# Altium PCB GameBoard_V1I1_Phase1.PcbDoc (part 2 of 18) (continued)
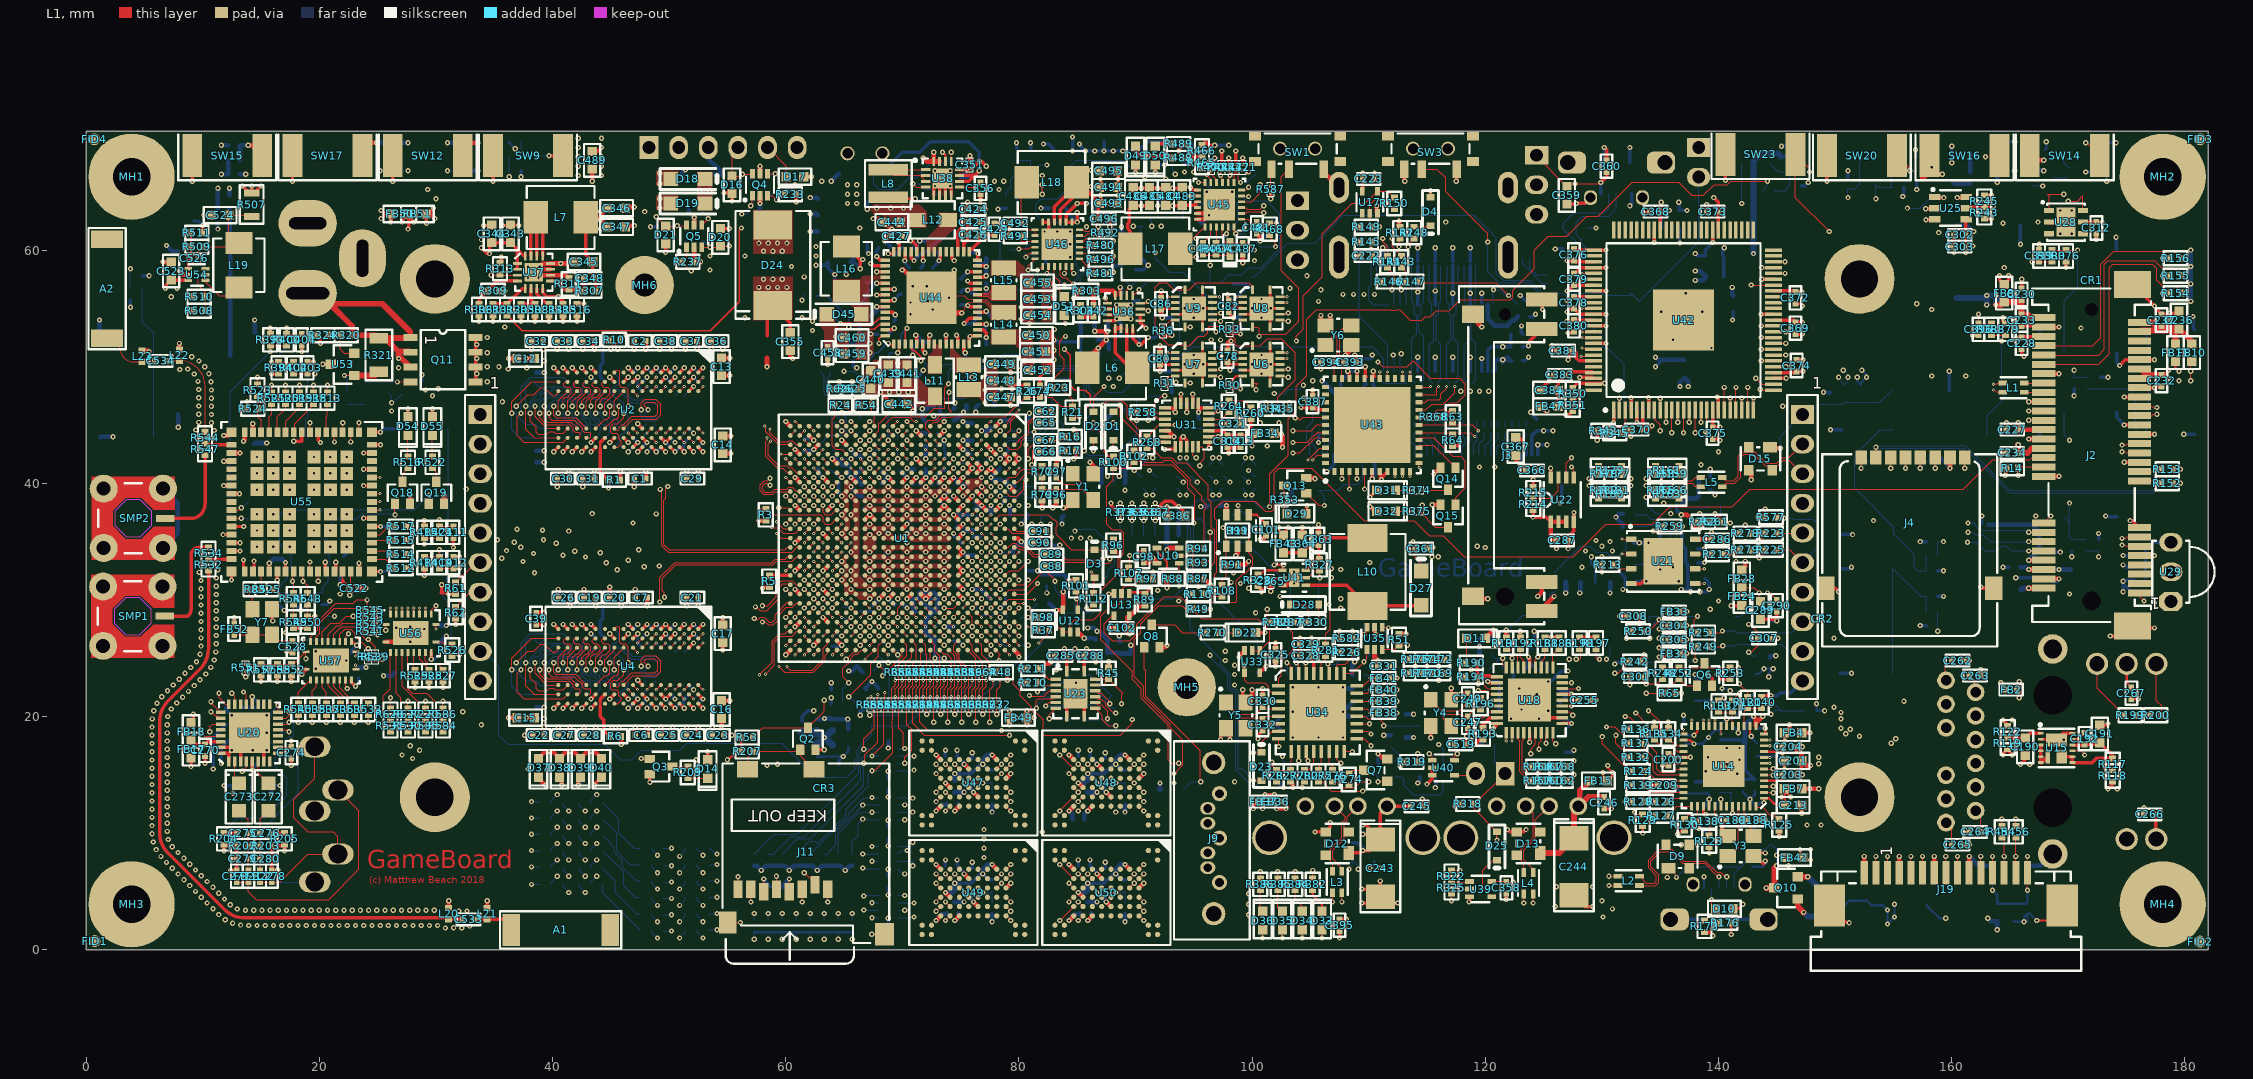
[diagram p0: L1 view]
## Components (designator, comment, footprint, x,y, rotation, side; value= is the part's Value field where it differs from the comment) (continued)
C230 "4u7" C0402 166,56.2 r90 top
C231 "4u7" C0402 166,31.4 r90 bottom
C232 "100n" C0402 178,48.8 r270 top value=100nF
C233 "100n" C0402 166,54 r270 top value=100nF
C234 "100n" C0402 165.2,42.6 r180 top value=100nF
C235 "100n" C0402 167.2,31.4 r90 bottom value=100nF
C236 "10u" C0603 179.5,54 r90 top value=10µF
C237 "100n" C0402 178,54 r90 top value=100nF
C238 "100n" C0402 168,34.1 r0 bottom value=100nF
C239 "100n" C0402 158.6,42.2 r0 bottom value=100nF
C240 "10u" C0603 142.7,9.3 r90 bottom value=10µF
C241 "100n" C0402 142.4,7.1 r0 bottom value=100nF
C242 "1u" C0402 120,26.6 r0 bottom value=1uF
C243 "100u / 10V" C2312 111,7 r270 top locked
C244 "100u / 10V" C2312 127.6,7.1 r270 top locked
C245 "100n" C0402 114.1,12.3 r0 top value=100nF
C246 "100n" C0402 130.2,12.6 r270 top value=100nF
C247 "18p" C0402 118.5,19.5 r270 top value=18pF
C248 "100n" C0402 123,26.3 r90 bottom value=100nF
C249 "18p" C0402 118.5,21.5 r90 top value=18pF
C250 "100n" C0402 125.9,22.2 r180 bottom value=100nF
C251 "4u7" C0402 125.9,21.2 r0 bottom
C252 "100n" C0402 123.4,23.5 r270 bottom value=100nF
C253 "4u7" C0402 124.4,23.5 r90 bottom
C254 "1u" C0402 119.05,21.2 r180 bottom value=1uF
C255 "1u" C0402 128.5,21.4 r0 top value=1uF
C256 "100n" C0402 121.7,20.5 r0 bottom value=100nF
C257 "100n" C0402 121.7,22.9 r0 bottom value=100nF
C258 "100n" C0402 125.9,19.8 r180 bottom value=100nF
C259 "100n" C0402 123.8,19.3 r90 bottom value=100nF
C260 "1u" C0402 121.7,21.6 r180 bottom value=1uF
C261 "100n" C0402 129.6,33.1 r0 bottom value=100nF
C262 "100n" C0402 160.5,24.8 r180 top value=100nF
C263 "100n" C0402 162,23.5 r180 top value=100nF
C264 "100n" C0402 162,10.1 r0 top value=100nF
C265 "100n" C0402 160.5,9 r180 top value=100nF
C266 "100n" C0402 177,11.6 r180 top value=100nF
C267 "100n" C0402 175.4,22 r270 top value=100nF
C268 "10u" C0603 11.98,20.061 r90 bottom value=10µF
C269 "100n" C0402 14.823,20.404 r270 bottom value=100nF
C270 "100n" C0402 10.2,17.1 r270 top value=100nF
C271 "100n" C0402 14.823,16.604 r90 bottom value=100nF
C272 "220u, 4V" "C1206 -  TLN S CASE TANTAL" 15.623,13.104 r270 top
C273 "220u, 4V" "C1206 -  TLN S CASE TANTAL" 13.123,13.104 r270 top
C274 "100n" C0402 17.6,16.9 r270 top value=100nF
C275 "100n" C0402 13.423,10.004 r180 top value=100nF
C276 "100n" C0402 15.423,10.004 r0 top value=100nF
C277 "270pF" C0402 12.923,6.304 r90 top
C278 "270pF" C0402 15.923,6.304 r90 top
C279 "100pF" C0402 13.423,7.804 r180 top
C280 "100pF" C0402 15.423,7.804 r0 top
C281 "1u" C0402 11.8,9.5 r270 bottom value=1uF
C282 "100n" C0402 14,9.5 r270 bottom value=100nF
C283 "270pF" C0402 12.9,6.3 r90 bottom
C284 "100n" C0402 59.2,5.4 r180 bottom value=100nF
C285 "100n" C0402 83.6,25.2 r180 top value=100nF
C286 "100n" C0402 139.9,35.2 r0 top value=100nF
C287 "100n" C0402 126.6,35.1 r180 top value=100nF
C288 "100n" C0402 86.1,25.2 r0 top value=100nF
C289 "10u" C0603 143.6,29.1 r270 top value=10µF
C290 "100n" C0402 145,29.5 r90 top value=100nF
C297 "100u / 10V" C2312 157.35,48 r0 bottom
C298 "100n" C0402 149.6,47.3 r90 bottom value=100nF
C299 "10uF / 16V" C0805 52.1,66 r180 bottom
C300 "100n" C0402 54.7,66 r270 bottom value=100nF
C301 "100n" C0402 132.9,23.4 r180 top value=100nF
C302 "10n" C0402 160.7,61.3 r180 top value=10nF
C303 "1u" C0402 160.7,60.3 r0 top value=1uF
C304 "4u7" C0402 136.2,27.8 r0 top
C305 "100n" C0402 136.2,26.6 r180 top value=100nF
C306 "100pF" C0402 144.4,25.7 r270 bottom
C307 "10n" C0402 143.9,26.7 r0 top value=10nF
C308 "100n" C0402 132.7,28.6 r0 top value=100nF
C309 "100pF" C0402 144.4,27.7 r90 bottom
C310 "100n" C0402 176.1,33.8 r180 bottom value=100nF
C311 "1u" C0402 176.1,32.8 r180 bottom value=1uF
C312 "100n" C0402 172.4,61.9 r270 top value=100nF
C313 "1u" C0402 99,43.6 r270 top value=1uF
C314 "100n" C0402 97.9,43.6 r270 top value=100nF
C315 "4u7" C0402 137.7,33.2 r0 bottom
C316 "100n" C0402 137.7,34.4 r0 bottom value=100nF
C317 "100n" C0402 132.5,31.6 r0 bottom value=100nF
C318 "100n" C0402 134.5,34.4 r180 bottom value=100nF
C319 "100n" C0402 96,45.5 r180 bottom value=100nF
C320 "4u7" C0402 136.1,33.9 r270 bottom
C321 "100n" C0402 98.4,45.1 r0 top value=100nF
C322 "220n" C0402 133.8,36.8 r90 bottom value=220nF
C323 "100n" C0402 132.3,36.3 r180 bottom value=100nF
C324 "100n" C0402 138.8,39.4 r0 bottom value=100nF
C325 "100n" C0402 102,25.3 r90 top value=100nF
C326 "100n" C0402 102.9,18.9 r0 bottom value=100nF
C327 "10n" C0402 102.9,19.9 r0 bottom value=10nF
C328 "100n" C0402 104.6,25.2 r180 top value=100nF
C329 "10n" C0402 104.6,26.2 r180 top value=10nF
C330 "18p" C0402 100.9,21.3 r270 top value=18pF
C331 "100n" C0402 111.3,24.3 r0 top value=100nF
C332 "18p" C0402 100.9,19.3 r90 top value=18pF
C333 "22pF" C0402 111.3,20.3 r180 bottom
C334 "22pF" C0402 111.3,21.3 r180 bottom
C335 "22pF" C0402 111.3,22.3 r180 bottom
C336 "22pF" C0402 111.3,23.3 r180 bottom
C337 "22u" C0603 89.5,52.6 r180 bottom
C338 "22u" C0603 90.3,54.9 r90 bottom
C339 "22u" C0603 86,50.9 r180 bottom
C340 "22u" C0603 86,52.3 r180 bottom
C341 "22pF" C0402 87.6,54.3 r270 bottom
C342 "220pF" C0402 86.4,54.8 r90 top
C343 "22u" C0603 36.4,61.4 r90 top
C344 "22u" C0603 34.8,61.4 r90 top
C345 "22u" C0603 42.7,59 r180 top
C346 "22u" C0603 45.5,63.6 r0 top
C347 "22u" C0603 45.5,62 r0 top
C348 "22pF" C0402 43.2,57.6 r0 top
C349 "220pF" C0402 41.5,55.4 r180 bottom
C350 "10u" C0603 74.2,66.2 r180 bottom value=10µF
C351 "100n" C0201 75.8,67.3 r90 top
C352 "22u / 10V" C0603 63.5,64.4 r180 bottom
C353 "22u / 10V" C0603 63.5,61.6 r180 bottom
C354 "22u / 10V" C0603 63.5,63 r180 bottom
C355 "22u" C0603 60.4,52.15 r270 top
C356 "3.3n" C0402 76.7,65.3 r90 top
C357 "100u / 10V" C2312 155.6,3.8 r0 bottom
C358 "100n" C0402 121.8,5.3 r90 top value=100nF
C359 "10u" C0603 127,64.7 r270 top value=10µF
C360 "100n" C0402 130.4,67.2 r90 top value=100nF
C361 "1u" C0402 114.5,34.4 r0 top value=1uF
C362 "1u" C0402 124.4,45 r90 bottom value=1uF
C363 "100n" C0402 105.7,35.2 r90 top value=100nF
C364 "10u" C0603 104.3,34.8 r90 top value=10µF
C365 "220n" C0201 101.6,31.6 r270 top
C366 "100n" C0402 124,41.1 r0 top value=100nF
C367 "10u" C0603 122.6,43.15 r90 top value=10µF
C368 "100n" C0402 134.6,63.3 r180 top value=100nF
C369 "100n" C0402 146.6,53.3 r270 top value=100nF
C370 "100n" C0402 133,44.6 r180 top value=100nF
C371 "10u" C0603 135.9,61.9 r0 bottom value=10µF
C372 "100n" C0402 146.6,55.9 r270 top value=100nF
C373 "100n" C0402 139.5,63.3 r180 top value=100nF
C374 "100n" C0402 146.7,50.1 r90 top value=100nF
C375 "100n" C0402 139.5,44.3 r270 top value=100nF
C376 "100n" C0402 127.6,59.6 r90 top locked value=100nF
C377 "10u" C0603 139.6,59.5 r180 bottom value=10µF
C378 "100n" C0402 127.6,55.5 r270 top value=100nF
C379 "100n" C0402 127.6,57.5 r90 top locked value=100nF
C380 "100n" C0402 127.6,53.5 r270 top value=100nF
C381 "100n" C0402 126.7,51.375 r180 top value=100nF
C382 "10u" C0603 135.4,51.4 r90 bottom value=10µF
C383 "100n" C0402 126.4,49.3 r180 top value=100nF
C384 "10u" C0603 125.5,48 r180 top value=10µF
C385 "100n" C0402 93.2,37.4 r180 bottom value=100nF
C386 "10u" C0603 93.5,37.225 r180 top value=10µF
C387 "100n" C0402 105.2,47 r90 top value=100nF
C388 "100n" C0402 109.2,47.4 r270 bottom value=100nF
C389 "100n" C0402 108.2,47.4 r270 bottom value=100nF
C390 "100n" C0402 111.2,47.4 r270 bottom value=100nF
C391 "100n" C0402 110.2,47.4 r270 bottom value=100nF
C392 "10u" C0603 112.4,47 r270 bottom value=10µF
C393 "18p" C0402 108.4,50.4 r180 top value=18pF
C394 "18p" C0402 106.4,50.4 r0 top value=18pF
C395 "100n" C0402 107.5,2.1 r90 top value=100nF
C396 "100n" C0402 162.3,53.2 r270 top value=100nF
C397 "100n" C0402 170.5,48.6 r270 bottom value=100nF
C398 "100n" C0402 172.6,34.7 r90 bottom value=100nF
C399 "100n" C0402 167.5,59.5 r90 top value=100nF
C400 "100n" C0402 36.8,66.8 r0 bottom value=100nF
C401 "100n" C0402 32.3,66.8 r0 bottom value=100nF
C402 "100n" C0402 4.3,57.8 r0 bottom value=100nF
C403 "100n" C0402 19,49.9 r90 top value=100nF
C404 "100n" C0402 18.5,52.3 r270 top value=100nF
C405 "100n" C0402 11.8,64.7 r0 bottom value=100nF
C406 "100n" C0402 164.4,66.8 r180 bottom value=100nF
C407 "100n" C0402 172.8,66.7 r180 bottom value=100nF
C408 "100n" C0402 26.3,66.8 r180 bottom value=100nF
C409 "100n" C0402 12.7,66.5 r0 bottom value=100nF
C410 "100n" C0402 155.4,65.4 r0 bottom value=100nF
C411 "100n" C0402 31.5,35.8 r270 top value=100nF
C412 "100n" C0402 31.5,33.2 r90 top value=100nF
C413 "100n" C0402 146.6,65.5 r0 bottom value=100nF
C414 "100n" C0402 158.3,35 r180 bottom value=100nF
C415 "100n" C0402 158.3,27.8 r180 bottom value=100nF
C416 "1u" C0402 76.6,53.1 r180 bottom value=1uF
C417 "1u" C0402 75.9,58.8 r180 bottom value=1uF
C418 "2u2" C0402 76.7,51.9 r180 bottom
C419 "4u7" C0402 76.1,54.3 r180 bottom
C420 "1u" C0402 72.6,58 r270 bottom value=1uF
C421 "2u2" C0402 74.5,57.5 r180 bottom
C422 "4u7" C0402 75.4,59.8 r180 bottom
C423 "2u2" C0402 72,60.3 r90 bottom
C424 "1u" C0402 76.1,63.5 r0 top value=1uF
C425 "1u" C0402 76.1,62.4 r0 top value=1uF
C426 "100n" C0402 76.1,61.3 r0 top value=100nF
C427 "2u2" C0402 69.5,61.2 r180 top
C428 "100n" C0402 70.5,60.1 r0 bottom value=100nF
C429 "100n" C0402 77.9,61.8 r90 top value=100nF
C430 "470nF" C0402 68.5,60.3 r0 bottom
C431 "4u7" C0402 73.5,59.8 r0 bottom
C432 "100n" C0402 72.3,53.8 r90 bottom value=100nF
C433 "100n" C0402 71.6,58 r270 bottom value=100nF
C434 "4u7" C0402 72.6,52.1 r180 bottom
C435 "4u7" C0402 71.3,53.8 r90 bottom
C436 "100n" C0402 70.6,58 r270 bottom value=100nF
C437 "100n" C0402 73.3,53.8 r90 bottom value=100nF
C438 "4u7" C0402 72.5,56.2 r180 bottom
C439 "22u" C0603 68.8,49.4 r90 top
C440 "22u" C0603 67.3,48.9 r90 top
C441 "22u" C0603 70.4,49.4 r90 top
C442 "22u" C0603 69.7,46.8 r0 top
C443 "22u" C0603 69.9,62.2 r270 bottom
C444 "22u" C0603 69.1,62.4 r180 top
C445 "22u" C0603 68.3,64.6 r180 bottom locked
C446 "22u" C0603 68.4,62.2 r270 bottom
C447 "22u" C0603 78.5,47.4 r0 top locked
C448 "22u" C0603 78.5,48.8 r0 top locked
C449 "22u" C0603 78.5,50.2 r0 top
C450 "22u" C0603 81.5,52.7 r0 top
C451 "22u" C0603 81.5,51.3 r0 top
C452 "22u" C0603 81.6,49.7 r0 top
C453 "22u" C0603 81.6,55.8 r0 top
C454 "22u" C0603 81.6,54.4 r0 top
C455 "22u" C0603 81.6,57.2 r0 top
C456 "10uF / 16V" C0805 64.6,58.975 r180 bottom
C457 "100n" C0402 66.5,60.5 r0 bottom value=100nF
C458 "10n" C0402 63.6,51.2 r270 top value=10nF
C459 "22u / 10V" C0603 65.7,51.1 r0 top
C460 "22u / 10V" C0603 65.7,52.5 r0 top
C461 "4u7" C0402 76.7,56.2 r0 bottom
C462 "100n" C0402 68.9,58.1 r0 bottom value=100nF
C463 "100n" C0402 74.5,55.3 r180 bottom value=100nF
C464 "4u7" C0402 76.7,57.2 r0 bottom
C465 "4u7" C0402 74.7,52.1 r0 bottom
C466 "100n" C0402 74.4,53.8 r90 bottom value=100nF
C467 "100n" C0402 74.5,56.4 r180 bottom value=100nF
C468 "2u2" C0402 68.9,59.1 r0 bottom
C469 "1u" C0402 70.4,56.2 r0 bottom value=1uF
C470 "10uF / 16V" C0805 66,56 r180 bottom
C471 "1u" C0402 68.9,55.1 r0 bottom value=1uF
C472 "220n" C0402 69.8,53.9 r0 bottom value=220nF
C473 "1u" C0402 68.5,56.6 r90 bottom value=1uF
C474 "100n" C0402 68.4,52.8 r180 bottom value=100nF
C475 "10u" C0603 165.3,3.2 r270 bottom value=10µF
C476 "100n" C0402 166.5,3.6 r270 bottom value=100nF
C477 "10n" C0402 98.3,63.9 r180 bottom value=10nF
C478 "22u / 10V" C0603 94,64.6 r90 bottom
C479 "10u" C0603 95.6,63.1 r270 bottom value=10µF
C480 "0.047u" C0402 95.8,60.1 r90 top
C481 "10n" C0402 100.4,61.9 r270 top value=10nF
C482 "1u" C0402 101.2,61.8 r270 bottom value=1uF
C483 "10u" C0603 94,64.6 r90 top value=10µF
C484 "10u" C0603 92.6,64.6 r90 top value=10µF
C485 "10u" C0603 91.2,64.6 r90 top value=10µF
C486 "10u" C0603 89.8,64.6 r90 top value=10µF
C487 "4u7" C0402 99.2,60.1 r270 top
C488 "10u" C0603 89.7,61.3 r180 bottom value=10µF
C489 "10u" C0603 43.4,67.7 r270 top value=10µF
C490 "10n" C0402 81.8,58.9 r0 bottom value=10nF
C491 "1u" C0402 81.8,59.9 r0 bottom value=1uF
C492 "0.047u" C0402 79.7,62.3 r0 top
C493 "10u" C0603 87.7,64 r0 top value=10µF
C494 "10u" C0603 87.7,65.4 r0 top value=10µF
C495 "10u" C0603 87.7,66.8 r0 top value=10µF
C496 "10n" C0402 87.3,62.7 r0 top value=10nF
C497 "4u7" C0402 81.8,60.9 r0 bottom
C498 "10u" C0603 83.3,63.6 r180 bottom value=10µF
C499 "100n" C0402 74.5,14 r270 bottom value=100nF
C500 "100n" C0402 74.3,12.5 r180 bottom value=100nF
C501 "100n" C0402 74.2,16.6 r180 bottom value=100nF
C502 "100n" C0402 76.5,16.4 r180 bottom value=100nF
C503 "1u" C0402 75.9,14.6 r90 bottom value=1uF
C504 "100n" C0402 85.1,11.2 r180 bottom value=100nF
C505 "100n" C0402 87.9,16.4 r180 bottom value=100nF
C506 "100n" C0402 85.6,16.5 r180 bottom value=100nF
C507 "100n" C0402 85.9,14 r270 bottom value=100nF
C508 "1u" C0402 87.3,14.6 r90 bottom value=1uF
C509 "100n" C0402 76.5,7 r180 bottom value=100nF
C510 "100n" C0402 74.2,7.2 r180 bottom value=100nF
C511 "100n" C0402 74.3,3.1 r180 bottom value=100nF
C512 "100n" C0402 74.5,4.6 r270 bottom value=100nF
C513 "1u" C0402 75.9,5.2 r90 bottom value=1uF
C514 "100n" C0402 87.9,7 r180 bottom value=100nF
C515 "100n" C0402 85.6,7.1 r180 bottom value=100nF
C516 "100n" C0402 85.7,3.1 r180 bottom value=100nF
C517 "100n" C0402 85.9,4.6 r270 bottom value=100nF
C518 "1u" C0402 87.3,5.2 r90 bottom value=1uF
C519 "100n" C0402 117.9,17.6 r180 top value=100nF
C520 "100n" C0402 117.9,17.6 r180 bottom value=100nF
C521 "100n" C0402 111.9,17.9 r270 bottom value=100nF
C522 "100n" C0201 23,31 r180 top
C523 "10u" C0603 7.3,58.2 r90 top value=10µF
C524 "10u" C0603 11.5,63 r180 top value=10µF
C525 "10u" C0603 22.1,33 r270 bottom value=10µF
C526 "6.8pF" C0201 9.265,59.3 r180 top
C527 "1u" C0402 16.4,33 r270 bottom value=1uF
C528 "100n" C0402 17.7,26 r90 top value=100nF
C529 "100n" C0402 30.3,25.8 r270 bottom value=100nF
C530 "100n" C0402 30.4,28.3 r270 bottom value=100nF
C531 "100n" C0402 23.4,23.7 r270 bottom value=100nF
C532 "100n" C0402 22.3,25.4 r180 bottom value=100nF
C533 "1pF" C0402 32.8,2.6 r0 top
C534 "2.4pF" C0402 6.4,50.5 r180 top
CR1 "Mini PCIe Card" "MINI_PCIE_FULL CARD" 172,57.4 r180 top locked
CR2 "Micro SIM Card" MICRO_SIM_CARD 148.9,28.4 r90 top
CR3 "Micro SD Card" MICRO_SD_CARD 63.3,13.85 r0 top
CTP1 "0527930670" 522710479 91.2,32 r180 bottom locked
D1 "RB751V-40-TP" SOD323 88.1,44.9 r90 top
D2 "RB751V-40-TP" SOD323 86.4,44.9 r90 top
D3 "RB751V-40-TP" SOD323 86.5,33.1 r270 top
D4 "BAT54HT1G" SOD323 115.3,63.3 r90 top
D5 "Green" LED_0603 179.7,56.3 r0 bottom
D6 "Green" LED_0603 179.7,57.8 r0 bottom
D7 "Green" LED_0603 179.7,59.3 r0 bottom
D8 "BZA956A,115" SOT665 162.6,35.7 r270 bottom
D9 "BGX50AE6327" SOT143 136.5,8 r90 top
D10 "PGB1010603MR" C0603 140.5,3.5 r0 top
D11 "Orange" LED_0603 119.2,26.7 r180 top
D12 "BGX50AE6327" SOT143 107.3,9.1 r180 top
D13 "BGX50AE6327" SOT143 123.7,9.1 r180 top
D14 "Orange" LED_0603 53.3,15.5 r90 top
D15 "BGX50AE6327" SOT143 143.6,42.1 r270 top
D16 "PGB1010603MR" C0603 55.4,65.6 r270 top
D17 "PGB1010603MR" C0603 60.8,66.3 r0 top
D18 "MBR140SFT1G" SOD-123FL 51.6,66.1 r180 top
D19 "MBR140SFT1G" SOD-123FL 51.6,64 r180 top
D20 "PGB1010603MR" C0603 54.4,61.1 r90 top
D21 "PGB1010603MR" C0603 49.7,61.3 r270 top
D22 "Orange" LED_0603 99.5,27.2 r0 top
D23 "RB751V-40-TP" SOD323 100.8,15.7 r270 top
D24 "S8MC-13" SMC 58.9,58.7 r90 top locked
D25 "RB751V-40-TP" SOD323 121,8.9 r90 top
D26 "BGX50AE6327" SOT143 127.7,61.1 r180 bottom locked
D27 "MBR140SFT1G" SOD-123FL 114.5,31 r270 top
D28 "1N4148WS" SOD323 104.481,29.6 r0 top
D29 "Green" LED_0603 103.8,37.4 r0 top
D30 "BZA956A,115" SOT665 105.7,45 r90 bottom
D31 "Red" LED_0603 111.5,39.4 r180 top
D32 "Green" LED_0603 111.5,37.6 r180 top
D33 "Red" LED_0603 106,2.5 r270 top
D34 "Red" LED_0603 104.3,2.5 r270 top
D35 "Red" LED_0603 102.6,2.5 r270 top
D36 "Red" LED_0603 100.9,2.5 r270 top
D37 "Red" LED_0603 38.8,15.6 r90 top
D38 "Red" LED_0603 40.6,15.6 r90 top
D39 "Red" LED_0603 42.4,15.6 r90 top
D40 "Red" LED_0603 44.2,15.6 r90 top
D41 "Green" LED_0603 168.8,68.6 r180 bottom
D42 "Orange" LED_0603 160.8,68.2 r180 bottom
D43 "RB751V-40-TP" SOD323 153.5,66.7 r90 bottom
D44 "RB751V-40-TP" SOD323 143.2,67.4 r180 bottom
D45 "MBR140SFT1G" SOD-123FL 65,54.5 r0 top
D46 "B130LAW-7-F" SOD-123FL 97.554,59.9 r180 bottom
D47 "ZLLS350TA" SOD-523 98.1,60.1 r90 top
D48 "B130LAW-7-F" SOD-123FL 91.9,59.6 r180 bottom
D49 "Green" LED_0603 90,68.1 r90 top
D50 "Green" LED_0603 91.7,68.1 r90 top
D51 "Red" LED_0603 83.9,55.2 r270 top
D52 "B130LAW-7-F" SOD-123FL 83,67.2 r90 bottom
D53 "ZLLS350TA" SOD-523 79.2,60.6 r270 bottom
D54 "Green" LED_0603 27.6,44.9 r90 top
D55 "Orange" LED_0603 29.7,44.9 r90 top
FB1 "220R, 2.5A" C0603 77.6,45.5 r270 bottom
FB2 "BLM15AX300SN1D 30R / 1.1A" C0402 165.1,22.3 r0 top
FB3 "BLM18KG101TN1D" C0603 143.2,22.9 r270 bottom
FB4 "BLM18KG101TN1D" C0603 146.4,18.6 r180 top
FB5 "BLM15AX601SN1D" C0402 147.9,20.5 r180 bottom
FB6 "BLM18KG101TN1D" C0603 137.8,22.1 r270 bottom
FB7 "BLM18KG101TN1D" C0603 146.4,13.8 r180 top
FB8 "220R, 2.5A" C0603 164.5,56.3 r270 top
FB9 "220R, 2.5A" C0603 170.2,31.8 r270 bottom
FB10 "220R, 2.5A" C0603 180.6,51.2 r90 top
FB11 "220R, 2.5A" C0603 179.2,51.2 r90 top
FB12 "MPZ1608S601A 600OHM/1A" C0603 126.9,17.7 r90 bottom
FB13 "MPZ1608S601A 600OHM/1A" C0603 108.6,8.4 r90 bottom
FB14 "MPZ1608S601A 600OHM/1A" C0603 110.5,8.4 r90 bottom
FB15 "MPZ1608S601A 600OHM/1A" C0603 129.7,14.5 r0 top
FB16 "MPZ1608S601A 600OHM/1A" C0603 13.473,14.079 r180 bottom
FB17 "MPZ1608S601A 600OHM/1A" C0603 9,17.2 r90 top
FB18 "MPZ1608S601A 600OHM/1A" C0603 9,18.7 r90 top
FB19 "MPZ1608S601A 600OHM/1A" C0603 13.48,20.061 r90 bottom
FB20 "MPZ1608S601A 600OHM/1A" C0603 14.973,14.079 r0 bottom
FB21 "BLM15AX601SN1D" C0402 13.923,6.304 r270 top
FB22 "BLM15AX601SN1D" C0402 14.923,6.304 r270 top
FB23 "BLM15AX601SN1D" C0402 13.9,6.3 r270 bottom
FB24 "220R, 2.5A" C0603 142,30.3 r270 top
FB27 "220R, 2.5A" C0603 152.2,47.7 r90 bottom
FB28 "220R, 2.5A" C0603 142,31.8 r90 top
FB31 "220R, 2.5A" C0603 150.8,47.7 r90 bottom
FB32 "BLM15AX601SN1D" C0402 136.2,25.4 r180 top
FB33 "BLM15AX601SN1D" C0402 136.2,29 r180 top
FB34 "MPZ1608S601A 600OHM/1A" C0603 101.1,44.3 r180 top
FB35 "MPZ1608S601A 600OHM/1A" C0603 138.1,31.8 r180 bottom
FB36 "BLM15AX601SN1D" C0402 102,12.7 r180 top
FB37 "BLM15AX601SN1D" C0402 101,12.7 r0 top
FB38 "120R, 1.3A" C0402 111.3,20.3 r0 top
FB39 "120R, 1.3A" C0402 111.3,21.3 r0 top
FB40 "120R, 1.3A" C0402 111.3,22.3 r0 top
FB41 "120R, 1.3A" C0402 111.3,23.3 r0 top
FB42 "220R, 2.5A" C0603 146.5,7.9 r180 top locked
FB43 "MPZ1608S601A 600OHM/1A" C0603 102.7,34.8 r90 top
FB44 "220R, 2.5A" C0603 135.9,63.4 r180 bottom
FB45 "220R, 2.5A" C0603 139.7,57.7 r0 bottom
FB46 "220R, 2.5A" C0603 137.1,49.809 r90 bottom
FB47 "220R, 2.5A" C0603 125.5,46.6 r0 top
FB48 "220R, 2.5A" C0603 163.9,3.2 r90 bottom
FB49 "MPZ1608S601A 600OHM/1A" C0603 79.95,19.9 r0 top
FB50 "MPZ1608S601A 600OHM/1A" C0603 26.9,63.1 r0 top
FB51 "MPZ1608S601A 600OHM/1A" C0603 28.4,63.1 r180 top
FB52 "120R, 1.3A" C0402 12.7,27.5 r90 top
FID1 "FID_1MM_SMALL" FID_40X52D 1.038,1.038 r90 top
FID2 "FID_1MM_SMALL" FID_40X52D 181.6,1 r90 top
FID3 "FID_1MM_SMALL" FID_40X52D 181.6,69.8 r90 top
FID4 "FID_1MM_SMALL" FID_40X52D 1,69.8 r90 top
FID5 "FID_1MM_SMALL" FID_40X52D 0.438,1.038 r90 bottom
FID6 "FID_1MM_SMALL" FID_40X52D 181,1 r90 bottom
FID7 "FID_1MM_SMALL" FID_40X52D 181,69.8 r90 bottom
FID8 "FID_1MM_SMALL" FID_40X52D 0.4,69.8 r90 bottom
J1 "47151-0001" "HDMI V1.1" 114.7,62 r90 bottom locked
J2 "MM60-52B1-E1-R650" MINI_PCIE_52PIN_CARD_CON 172,29.9 r180 top locked
J3 "MM60-EZH059-B5-R650" MINI_PCIE_52PIN_CARD_LATCH 121.7,30.3 r180 top locked
J4 "693022010811" SIM_MICRO_HINGED 156.4,36.6 r180 top locked
J5 "USB MICRO AB" USB_MICRO_AB 140.05,2.6 r90 bottom
J6 "UE27-AC54-100" USB-A 108.07,12.44 r0 bottom locked
J7 "UE27-AC54-100" USB-A 124.47,12.44 r0 bottom locked
J8 "L829-1J1T-43" L829-1J1T-43 169.8,17 r90 bottom locked
J9 "0471554001" SATA_VERTICAL 97.2,13.38 r90 top locked
J10 "SJ1-3535NG-GR" SJ1-3535NG 20.5,5.8 r90 bottom locked
J11 "693071010811" 693071010811 61.8,8.4 r180 top locked
J12 "SSW-110-01-F-S" SSW-110-01-F-S 147.2,45.9 r180 bottom locked
J13 "TLW-103-06-T-S" HDR_1X3_2.54MM 103.9,64.24 r180 bottom
J14 "SSW-110-01-F-S" SSW-110-01-F-S 33.8,45.9 r180 bottom
J16 "HDR 1x6, 2.54mm" HDR_1X6_2.54MM 48.28,68.8 r270 bottom
J17 "PJ-002AH" POWER_JACK_5.5_2.1MM_NS_V1.1 19,56.3 r180 bottom locked
J18 "USB MICRO AB" USB_MICRO_AB 131.25,67.5 r270 bottom locked
J19 "1-84952-5" ZIF_RA_BOTTOM_15X1MM 159.5,5.2 r0 top locked
J20 "S2B-PH-SM4-TB" S2B-PH-SM4-TB 46.45,60.8 r180 bottom locked
J22 "TLW-103-06-T-S" HDR_1X3_2.54MM 124.4,68.14 r180 bottom
JP2 "HDR 1x2" HDR_1X2_2.54MM 121.7,15.1 r90 bottom
JP3 "HDR 1x2" HDR_1X2_2.54MM 138.3,68.8 r180 bottom
L1 "ACM2012-900-2P-T002" ACM2012 165.3,48.2 r180 top
L2 "ACM2012-900-2P-T002" ACM2012 132.3,5.9 r180 top
L3 "ACM2012-900-2P-T002" ACM2012 107.3,5.8 r270 top
L4 "ACM2012-900-2P-T002" ACM2012 123.7,5.7 r90 top
L5 "ACM2012-900-2P-T002" ACM2012 139.4,40.1 r180 top
L6 "1u" IHLP_204MILX216MIL 88,49.9 r180 top locked
L7 "1u" IHLP_204MILX216MIL 40.7,62.8 r0 top
L8 "2.2uH / 8A" XFL4020-222MEC 68.8,65.7 r270 top
L9 "ACM2012-900-2P-T002" ACM2012 126.2,57.5 r180 bottom
L10 "10uH" IHLP_255MILX255MIL 109.9,32.4 r270 top
L11 "1u / 3.9A" IHLP_118MILX144MIL 72.8,48.8 r270 top
L12 "1u / 3.9A" IHLP_118MILX144MIL 72.6,62.6 r180 top locked
L13 "1u / 2.6A" IFSC_79MILX98MIL 75.7,49.1 r90 top
L14 "1u / 2.6A" IFSC_79MILX98MIL 78.7,53.6 r270 top
L15 "1u / 2.6A" IFSC_79MILX98MIL 78.7,57.4 r90 top
L16 "2u2 / 2.75A" IHLP_160MILX175MIL 65.2,58.4 r270 top
L17 "1u" IHLP_204MILX216MIL 91.7,60.1 r180 top
L18 "1u" IHLP_204MILX216MIL 82.8,65.8 r0 top
L19 "2u2 / 2.75A" IHLP_160MILX175MIL 13.1,58.7 r90 top
L20 "1.8nH" LQP_0402 31.1,3.1 r90 top
L21 "1.3nH" LQP_0402 34.4,3.1 r90 top
L22 "2.2nH" LQP_0402 8,51 r90 top
L23 "1.8nH" LQP_0402 4.8,50.9 r90 top
LCD1 "0541324062" 0541324062 114.75,40.95 r180 bottom locked
LCD2 "NHD-4.3-480272MB-ASXN-CTP" NHD-4.3-480272MB-ASXN-CTP 91,35.3 r180 bottom locked
MH1 "MH_7.4MMC_3.2MMD" MH_7.4MMD_3.2MMD 3.9,66.3 r0 top
MH2 "MH_7.4MMC_3.2MMD" MH_7.4MMD_3.2MMD 178.1,66.3 r0 top
MH3 "MH_7.4MMC_3.2MMD" MH_7.4MMD_3.2MMD 3.9,3.9 r0 top
MH4 "MH_7.4MMC_3.2MMD" MH_7.4MMD_3.2MMD 178.1,3.9 r0 top
MH5 "MH_5MMC_2MMD" MH_5MMD_2MMD 94.4,22.5 r0 top locked
MH6 "MH_5MMC_2MMD" MH_5MMD_2MMD 47.9,57 r0 top locked
Q2 "2N7002BKW,115" SC70_SOT323 61.9,18.1 r90 top
Q3 "2N7002BKW,115" SC70_SOT323 49.3,15.7 r0 top
Q4 "2N7002BKS,115" SOT363 57.8,65.6 r90 top
Q5 "2N7002BKS,115" SOT363 52.15,61.2 r90 top
Q6 "2N7002BKW,115" SC70_SOT323 138.8,23.6 r90 top
Q7 "MMBT3906,215" SOT-23-3-123 110.6,15.4 r180 top
Q8 "2N7002BKW,115" SC70_SOT323 91.4,26.9 r90 top
Q9 "DMP2035U-7" SOT-23-3-123 149.51,3.8 r0 bottom
Q10 "DMP2035U-7" SOT-23-3-123 145.8,5.3 r180 top
Q11 "SI4425BDY-T1-E3" 8_SOIC_3.9MM 30.6,50.6 r0 top
Q12 "MMBT3906,215" SOT-23-3-123 24.9,47.75 r0 bottom
Q13 "2N7002BKW,115" SC70_SOT323 103.7,39.8 r180 top
Q14 "2N7002BKW,115" SC70_SOT323 116.8,40.4 r270 top
Q15 "2N7002BKW,115" SC70_SOT323 116.8,37.2 r270 top
Q16 "2N7002BKW,115" SC70_SOT323 167.8,66.2 r0 bottom
Q17 "2N7002BKW,115" SC70_SOT323 159.2,65.8 r0 bottom
Q18 "2N7002BKW,115" SC70_SOT323 27.135,39.201 r90 top
Q19 "2N7002BKW,115" SC70_SOT323 30.035,39.201 r90 top
R1 "240R" R0402 45.3,40.3 r180 top
R2 "240R" R0402 45.3,52.3 r180 bottom
R3 "10k" R0402 58.3,37.3 r90 top
R4 "10k" R0402 63.3,41.2 r0 bottom
R5 "240R" R0402 58.6,31.6 r270 top
R6 "240R" R0402 45.4,18.3 r180 top
R7 "240R" R0402 45.4,30.3 r180 bottom
R8 "240R" R0402 62.6,17.1 r270 bottom
R9 "200R" R0402 45.4,18.3 r180 bottom
R10 "200R" R0402 45.3,52.3 r180 top
R11 "240R" R0402 62.6,19.1 r270 bottom
R12 "0R" R0402 76,46.7 r0 bottom
R13 "0R" R0402 79.7,42.9 r180 bottom
R14 "10k" R0402 165.2,41.3 r180 top
R15 "200R" R0402 79.2,45 r270 bottom
R16 "49R9" R0402 84.4,44 r180 top value=49.9R
R17 "49R9" R0402 84.4,42.8 r180 top value=49.9R
R18 "0R" R0402 64.5,42.9 r180 bottom
R19 "10k" R0402 72.8,27.2 r90 bottom
R20 "47k" R0402 109.7,51.2 r270 bottom
R21 "47k" R0402 84.6,46.1 r270 top
R22 "0R" R0402 71.5,41.2 r0 bottom
R23 "1k6" R0402 83.4,48.2 r180 top
R24 "0R" R0402 64.7,46.7 r0 top
R25 "0R" R0402 75,48 r0 bottom
R26 "4k99" R0402 80.7,47.9 r270 top
R27 "0R" R0402 72.5,43.2 r180 bottom
R28 "1k6" R0201 73,46.6 r0 bottom
R29 "0R" R0402 75,49.2 r180 bottom
R30 "10k" R0201 98.1,48.4 r90 top
R31 "10k" R0201 92.5,48.6 r90 top
R32 "0R" R0402 66.5,41.7 r270 bottom
R33 "10k" R0201 98.1,53.2 r90 top
R34 "100k" R0402 101.7,46.4 r0 top
R35 "100k" R0402 102.7,46.4 r180 top
R36 "10k" R0201 92.4,53.1 r90 top
R37 "22R" R0402 82.1,27.4 r0 top
R38 "0R" R0402 64.8,28.9 r270 bottom
R39 "0R" R0402 74.4,45.9 r90 bottom
R40 "0R" R0402 77.7,36.9 r270 bottom
R41 "191R" R0201 79.2,34.1 r180 bottom
R42 "22R" R0402 77.5,23.9 r180 bottom
R43 "10k" R0201 24.2,25.135 r270 top
R44 "22R" R0402 67.9,25.8 r270 bottom
R45 "10k" R0402 87.7,23.7 r90 top
R46 "10k" R0402 90.6,46.1 r0 bottom
R47 "10k" R0402 67.1,23.8 r180 bottom
R48 "4k99" R0402 78.5,23.8 r0 top
R49 "10k" R0402 95.4,29.2 r0 top
R50 "10k" R0402 92.6,13.7 r180 bottom
R51 "10k" R0402 112.6,26.6 r90 top
R52 "10k" R0402 82.112,28.5 r0 bottom
R53 "10k" R0402 56.7,18.2 r180 top
R54 "10k" R0402 66.9,46.7 r180 top
R55 "22R" R0402 79.6,28.5 r0 bottom
R56 "22R" R0402 79.6,26.1 r0 bottom
R57 "22R" R0402 69.6,43.3 r270 bottom
R58 "22R" R0402 67.9,42.5 r270 bottom
R59 "4k99" R0402 142.3,35.7 r180 bottom
R60 "4k99" R0402 142.3,34.3 r180 bottom
R61 "4k99" R0402 31.7,31 r270 top
R62 "4k99" R0402 31.7,28.9 r270 top
R63 "4k99" R0402 117.2,45.7 r90 top
R64 "4k99" R0402 117.2,43.7 r270 top
R65 "10k" R0402 135.8,22 r0 top
R66 "10k" R0402 83.3,37.2 r0 bottom
R67 "22R" R0402 84.6,45.9 r90 bottom
R68 "100k" R0402 88.1,44.2 r90 bottom
R69 "100k" R0402 86.4,44.2 r90 bottom
R70 "10k" R0402 64.4,21 r180 bottom
R71 "10k" R0402 66.4,20.955 r0 bottom
R72 "10k" R0402 68.4,21.018 r180 bottom
R73 "1k" R0402 63.982,26.541 r90 bottom
R74 "10k" R0402 64.4,22.3 r0 bottom
R75 "10k" R0402 66.4,22.3 r180 bottom
R76 "10k" R0402 68.4,22.3 r0 bottom
R77 "10M" R0402 82,41 r90 top
R78 "10M" R0201 80.3,39.5 r270 bottom
R79 "2M2" R0402 82,39 r270 top
R80 "4k99" R0201 76,37.2 r180 bottom
R81 "4k99" R0402 88.6,40 r0 bottom
R82 "4k99" R0402 88.6,41.2 r0 bottom
R83 "0R" R0402 14.5,30.9 r0 top
R84 "4k99" R0201 76.7,35.7 r90 bottom
R85 "10k" R0402 87.6,40 r0 bottom
R86 "10k" R0402 87.6,41.2 r0 bottom
R87 "10k" R0402 95.4,31.8 r0 top
R88 "10k" R0402 93.2,31.8 r180 top
R89 "10k" R0402 90.8,30 r270 top
R90 "4k99" R0402 98.3,36.7 r270 bottom
R91 "10k" R0402 98.3,33 r0 top
R92 "10k" R0402 82.1,29.7 r0 bottom
R93 "0R" R0402 95.4,33.2 r180 top
R94 "0R" R0402 95.4,34.4 r180 top
R95 "10k" R0402 99.5,36.7 r90 bottom
R96 "0R" R0402 88.1,34.7 r270 top
R97 "10k" R0402 91,31.8 r0 top
R98 "0R" R0402 82.1,28.5 r0 top
R99 "0R" R0402 98.75,35.95 r0 top
R100 "0R" R0402 88.1,41.8 r270 top
R101 "10k" R0402 84.9,31.2 r270 top
R102 "0R" R0402 89.878,42.3 r270 top
R103 "1k" R0201 75.8,42.2 r270 bottom
R104 "10k" R0402 80.6,46.7 r180 bottom
R105 "10k" R0402 80.591,49.1 r180 bottom
R106 "10k" R0402 80.6,47.925 r180 bottom
R107 "0R" R0402 89.4,32.3 r270 top
R108 "0R" R0402 97.4,30.8 r270 top
R109 "22R" R0402 82.7,49 r0 bottom